# KiCad board ayab-esp32.kicad_pcb (continued)
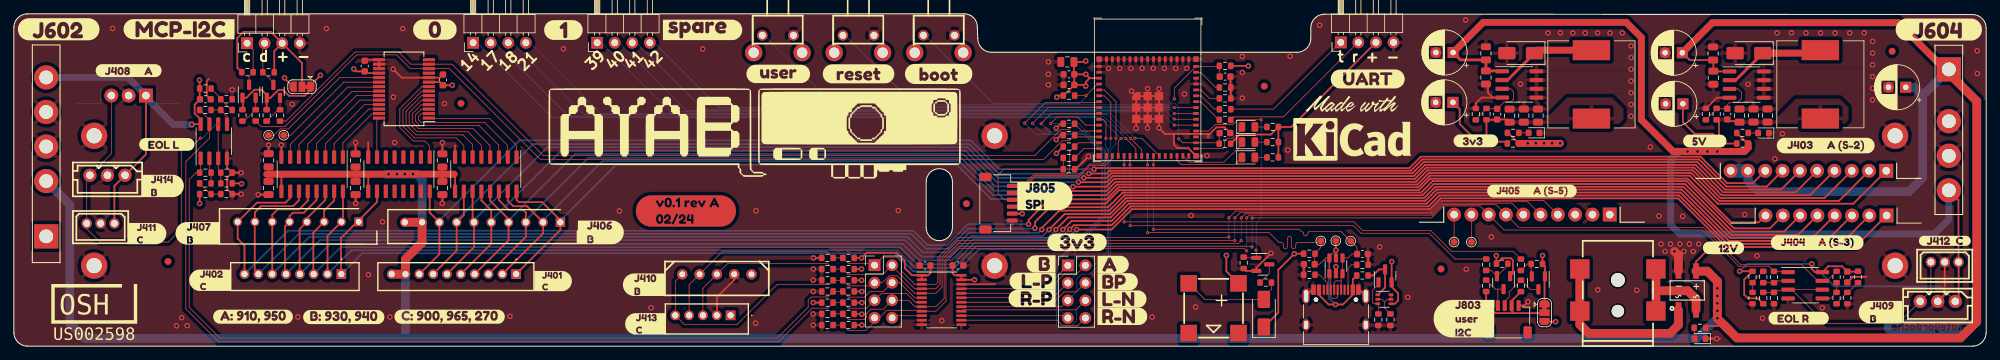
[diagram p0: board, top side]
## Routing (per net, layer and track width the routed paths; a pad name or vN(x,y) marks a point on that pad's centre or on a via; arc(x,y) is an arc through that point) (continued)
/AUX-CONNECTORS/AYAB_CIPO: length 4.1
  Top w0.1: U201.15 154.7,28.59 R813.1
/AUX-CONNECTORS/AYAB_COPI: length 16.3
  Top w0.1: J805.2 145.03,22.19 147.56,24.71 153.88,24.71 155.53,26.36 157.49,26.36 157.95,26.83 U201.16
/AUX-CONNECTORS/AYAB_CS: length 16.8
  Top w0.1: U201.14 153.9,29.44 R814.2 152.62,28.15 152.62,25.4 152.13,24.91 147.47,24.91 145.75,23.19 J805.1
/AUX-CONNECTORS/AYAB_RX: length 19.9
  Top w0.1: J801.1 191.76,43.96 182.11,34.32 175.92,34.32
/AUX-CONNECTORS/AYAB_SCK: length 18.8
  Top w0.1: J805.4 145.09,20.19 145.75,20.84 145.75,22.62 147.64,24.51 153.96,24.51 155.61,26.16 157.79,26.16 158.8,27.18 U201.17
/AUX-CONNECTORS/AYAB_SCL: length 134.4
  Top w0.1: R809.1 35.79,31.76 39.18,31.76 49.58,42.16 55.34,42.16 57.34,40.16 U301.12 62.98,40.16 76.12,27.02 148.85,27.02 151.55,29.72 152.54,29.72 R209.2 153.6,30.29 U201.13
/AUX-CONNECTORS/AYAB_SDA: length 131.1
  Top w0.1: R810.1 39.34,32.58 49.34,42.57 55.63,42.57 57.39,40.81 U301.13 63.33,40.81 76.54,27.6 147.6,27.6 151.35,31.35 152.52,31.35 R210.2 154.4,31.14 U201.12
/AUX-CONNECTORS/AYAB_TX: length 23.1
  Top w0.1: 175.91,32.77 176.32,33.18 183.53,33.18 194.31,43.96 J801.2
/AUX-CONNECTORS/CIPO: length 16.5
  Top w0.1: J805.3 143.16,21.19 142.29,22.06 142.29,24.79 143.11,25.61 R815.1 R813.2
/AUX-CONNECTORS/I2C_SCL: length 63.6
  Top w0.1: R801.1 208.35,12.61 204.62,16.34 194.75,16.34 193.66,17.43 161.4,17.43 v1(161.39,17.44) ; v1(161.35,26.25) U201.20
  Bottom w0.1: v1(161.39,17.44) 161.39,26.22 v1(161.35,26.25)
/AUX-CONNECTORS/I2C_SDA: length 69.1
  Top w0.1: v1(160.5,26.26) U201.19 ; R802.1 216.74,13.73 207.84,13.73 204.82,16.75 194.97,16.75 193.73,17.99 v1(160.51,17.99)
  Bottom w0.1: v1(160.5,26.26) 160.51,26.26 v1(160.51,17.99)
/AUX-CONNECTORS/I2C_VBUS: length 24.9
  Top w0.25: J806.3 37.65,42.7 R817.1 ; J806.3 41.66,40.99 J804.2 ; J806.3 37.16,45.49 33.21,45.49 32.31,44.59 32.31,40.29 R816.1
/AUX-CONNECTORS/MCP_SCL: length 6.6
  Top w0.1: J806.1 34.59,42.98 R816.2 34.01,39.07 Q803.3
/AUX-CONNECTORS/MCP_SDA: length 6.8
  Top w0.1: J806.2 36,43.59 R817.2 36.05,39.65 37.53,38.17 Q804.3
/AUX-CONNECTORS/UART_RX: length 4.2
  Top w0.1: 174.27,34.32 173.54,34.32 171.62,36.24 U201.40
/AUX-CONNECTORS/UART_TX: length 4.4
  Top w0.1: 170.9,35.39 171.55,35.39 174.17,32.77 174.26,32.77
/AUX-CONNECTORS/USER_I2C_VBUS: length 14.6
  Top w0.25: 216.85,4.78 221.2,4.78 J802.2 ; 216.85,4.78 216.53,5.1 J803.3 216.53,6.56 R808.1 ; 216.85,4.78 214.18,4.78 212.84,6.11 R807.1
/BROTHER-CONNECTORS/ENC_BELTPHASE: length 144.5
  Top w0.1: J405.6 216.55,20.7 206.52,20.7 204.98,19.16 178.04,19.16 v1(177.44,18.56) ; v1(177.44,15.27) 177,14.83 136.52,14.83 134.19,12.5 134.19,8.54 133.3,7.66 U701.5 130.22,7.66 127.7,10.18 126.55,10.18 125.55,9.18 J702.3 123.96,8.72 120.66,8.72 R706.2 R705.1 117.81,8.91 110.33,8.91 104.57,3.15 96.93,3.15 J413.5 95.63,4.47 95.63,9.39 J410.5
  Bottom w0.1: v1(177.44,18.56) v1(177.44,15.27)
/BROTHER-CONNECTORS/ENC_V1: length 145.3
  Top w0.1: J405.4 221.15,21.1 206.35,21.1 204.81,19.56 176.64,19.56 v1(175.65,18.57) ; v1(175.65,15.8) 175.55,15.7 136.47,15.7 133.59,12.82 133.59,9.24 133.3,8.96 U701.3 130.24,8.96 128.34,10.86 128.34,12.19 127.64,12.89 125.6,12.89 J702.1 124.19,11.96 120.66,11.96 R702.2 R701.1 117.55,13.66 102.4,13.66 J410.4 97.62,8.88 J413.4
  Bottom w0.1: v1(175.65,15.8) v1(175.65,18.57)
/BROTHER-CONNECTORS/ENC_V2: length 139.3
  Top w0.1: J405.5 218.85,20.9 206.43,20.9 204.89,19.36 177.3,19.36 v1(176.51,18.57) ; J413.3 99.61,4.47 99.61,8.37 J410.3 103.18,11.94 117.65,11.94 R703.1 R704.2 120.64,10.36 125.6,10.36 J702.2 126.97,11.58 130.24,8.31 U701.4 133.26,8.31 133.89,8.93 133.89,12.65 136.51,15.27 176.49,15.27 v1(176.5,15.28)
  Bottom w0.1: v1(176.51,18.57) 176.5,18.56 v1(176.5,15.28)
/BROTHER-CONNECTORS/EOL_L: length 63
  Top w0.1: v1(29.54,32.14) U702.3 29.54,25.48 R731.1 R733.2 ; J408.3 14.1,27.84 J414.3 10.54,24.28 10.54,17.76 J411.3 10.54,16.98 12.45,15.07 22.33,15.07 24.24,16.98 24.24,28.3 25.16,29.22 TP701.1 26.08,29.21 v1(26.97,30.1)
  Bottom w0.1: v1(29.54,32.14) 29.29,32.14 27.26,30.1 v1(26.97,30.1)
/BROTHER-CONNECTORS/EOL_R: length 37.5
  Top w0.1: U703.3 257.02,8.18 261.15,4.05 TP702.1 262.23,3.26 272.36,3.26 J409.3 277.13,8.04 J412.3 ; U703.3 256.36,8.04 254.7,8.04 R732.1 R734.2 ; U703.3 U703.6
/BROTHER-CONNECTORS/EOL_R_N: length 156
  Top w0.1: v1(179,14.35) 178.89,14.46 136.6,14.46 134.49,12.35 134.49,6.9 133.29,5.71 U701.8 130.26,5.71 129.33,6.64 J702.6 125.68,5.35 123.9,5.35 123.26,4.71 123.26,4.19 122.92,3.85 120.66,3.85 R712.2 R711.1 ; v1(179,18.56) 204.94,18.56 206.68,20.3 211.95,20.3 J405.8 215.44,16.81 244.13,16.81 249.37,11.57 253.71,11.57 R717.1 256.38,10.84 U703.1
  Bottom w0.1: v1(179,14.35) v1(179,18.56)
/BROTHER-CONNECTORS/EOL_R_S: length 164.9
  Top w0.1: v1(178.23,18.58) 178.61,18.96 205.06,18.96 206.6,20.5 214.25,20.5 J405.7 217.56,17.19 244.23,17.19 249.6,11.82 258.4,11.82 260.77,9.45 262.11,9.45 R718.2 ; v1(178.21,13.79) 177.89,14.11 136.65,14.11 134.76,12.22 134.76,6.52 133.29,5.06 U701.9 131.12,5.19 126.2,5.19 125.11,4.1 J702.7 124.43,3.54 123.14,2.25 120.64,2.25 R714.2 R713.1
  Bottom w0.1: v1(178.21,13.79) 178.23,13.81 v1(178.23,18.58)
/BROTHER-CONNECTORS/SOL_0: length 215.3
  Top w0.25: J401.8 61.52,13.33 61.52,17.93 J406.8 60.12,19.33 U303.16 ; J403.8 251.4,23.59 247.67,23.59 243.84,27.42 203.4,27.42 201.74,25.77 163.7,25.77 163.7,25.77 156.31,25.77 v2(156.15,25.61)
  Bottom w0.25: v2(156.15,25.61) 142.52,25.61 138.35,29.78 73.09,29.78 61.52,18.21 J406.8
/BROTHER-CONNECTORS/SOL_1: length 215.5
  Top w0.25: J403.7 253.41,23.1 247.57,23.1 243.65,27.02 203.59,27.02 201.97,25.4 158.42,25.4 158,24.99 v2(155.4,24.99) ; 65.05,22.41 65.05,18.97 J406.7 64.02,17.93 64.02,13.83 J401.7
  Bottom w0.25: J406.7 64.02,18.21 75.05,29.24 138.12,29.24 142.37,24.99 v2(155.4,24.99)
/BROTHER-CONNECTORS/SOL_2: length 215.6
  Top w0.25: v2(154.68,24.36) 158,24.36 158.66,25.02 202.19,25.02 203.8,26.63 243.39,26.63 247.36,22.66 255.47,22.66 J403.6 ; J401.6 66.52,14.33 66.52,17.93 J406.6 66.32,18.13 U302.11
  Bottom w0.25: v2(154.68,24.36) 142.28,24.36 137.85,28.79 77.1,28.79 66.52,18.21 J406.6
/BROTHER-CONNECTORS/SOL_3: length 216.4
  Top w0.25: J401.5 69.02,14.83 69.02,17.93 J406.5 69.02,19.67 67.59,21.1 67.59,22.41 ; J403.5 257.58,22.27 247.1,22.27 243.14,26.23 204,26.23 202.39,24.62 158.87,24.62 157.98,23.73 153.91,23.73 v2(153.9,23.74)
  Bottom w0.25: J406.5 69.02,18.21 79.12,28.31 137.55,28.31 142.15,23.71 153.88,23.71 v2(153.9,23.74)
/BROTHER-CONNECTORS/SOL_4: length 217.3
  Top w0.25: J401.4 71.52,15.33 J406.4 71.52,18.39 68.86,21.05 68.86,22.41 ; J403.4 259.65,21.84 246.91,21.84 242.91,25.84 204.17,25.84 202.54,24.21 159.06,24.21 157.93,23.08 153.12,23.08 v2(153.12,23.09)
  Bottom w0.25: v2(153.12,23.09) 153.09,23.11 141.91,23.11 137.2,27.82 81.13,27.82 71.52,18.21 J406.4
/BROTHER-CONNECTORS/SOL_5: length 219.3
  Top w0.25: J403.3 261.74,21.43 246.73,21.43 242.71,25.45 204.35,25.45 202.69,23.79 159.28,23.79 157.94,22.45 152.3,22.45 v2(152.26,22.49) ; U302.14 70.13,21.13 71.58,19.68 73.68,19.68 74.02,19.34 J406.3 74.02,15.83 J401.3
  Bottom w0.25: v2(152.26,22.49) 152.25,22.5 141.71,22.5 136.94,27.27 83.08,27.27 74.02,18.21 J406.3
/BROTHER-CONNECTORS/SOL_6: length 220.1
  Top w0.25: U302.15 71.4,21.06 72.21,20.25 74.2,20.25 J406.2 76.52,16.33 J401.2 ; v2(151.37,21.88) 151.39,21.86 157.96,21.86 159.49,23.39 202.88,23.39 204.55,25.06 242.5,25.06 246.54,21.02 263.83,21.02 J403.2
  Bottom w0.25: J406.2 76.52,18.21 85.1,26.79 136.63,26.79 141.54,21.88 151.37,21.88 v2(151.37,21.88)
/BROTHER-CONNECTORS/SOL_7: length 221.7
  Top w0.25: J401.1 79.02,16.83 J406.1 79.02,18.21 76.38,20.84 73,20.84 72.67,21.17 72.67,22.41 ; v2(150.48,21.26) 150.48,21.25 157.96,21.25 159.7,22.99 203.02,22.99 204.7,24.67 242.27,24.67 246.33,20.61 265.92,20.61 J403.1
  Bottom w0.25: J406.1 79.02,18.21 87.09,26.28 136.27,26.28 141.27,21.28 150.45,21.28 v2(150.48,21.26)
/BROTHER-CONNECTORS/SOL_8: length 248.7
  Top w0.25: J404.8 252.23,17.91 248.29,17.91 241.96,24.24 204.76,24.24 203.1,22.58 159.78,22.58 157.83,20.63 149.05,20.63 146.7,18.28 v2(146.7,17.65) ; U304.10 39.95,21.44 39.29,20.77 35.14,20.77 J407.8 32.36,15.55 33.35,14.56 J402.8
  Bottom w0.25: v2(146.7,17.65) 146.67,17.67 137.97,17.67 134.93,14.63 132.1,14.63 130.02,16.71 39.63,16.71 J402.8
/BROTHER-CONNECTORS/SOL_9: length 249.4
  Top w0.25: J402.7 34.83,10.95 34.83,17.96 J407.7 34.86,19.38 35.74,20.26 40.37,20.26 41.22,21.12 U304.11 ; v2(147.61,17.07) 147.61,17.96 149.76,20.11 158.19,20.11 160.31,22.23 203.44,22.23 205.1,23.89 241.82,23.89 248.66,17.05 253.87,17.05 J404.7
  Bottom w0.25: J402.7 41.17,16.25 129.74,16.25 131.87,14.12 135.1,14.12 138,17.02 147.56,17.02 v2(147.61,17.07)
/BROTHER-CONNECTORS/SOL_A: length 248
  Top w0.25: 42.49,22.41 42.49,21.05 41.24,19.79 38.14,19.79 37.36,19.01 J407.6 37.36,10.44 J402.6 ; J404.6 255.9,16.58 248.48,16.58 241.59,23.47 205.27,23.47 203.63,21.83 160.56,21.83 158.35,19.62 151.12,19.62 148.6,17.1 v2(148.6,16.87)
  Bottom w0.25: J402.6 42.73,15.81 129.16,15.81 131.4,13.57 135.28,13.57 138.15,16.44 148.17,16.44 v2(148.6,16.87)
/BROTHER-CONNECTORS/SOL_B: length 247.5
  Top w0.25: v2(149.65,16.87) 151.91,19.13 158.49,19.13 160.79,21.43 203.87,21.43 205.5,23.06 241.38,23.06 248.33,16.11 257.93,16.11 J404.5 ; U304.13 43.76,21.15 41.93,19.31 40.34,19.31 39.86,18.83 J407.5 39.19,17.32 39.19,10.59 J402.5
  Bottom w0.25: J402.5 44.27,15.35 128.86,15.35 131.24,12.97 135.41,12.97 138.39,15.95 148.73,15.95 v2(149.65,16.87)
/BROTHER-CONNECTORS/SOL_C: length 246.7
  Top w0.25: U304.14 45.03,21.16 42.36,18.48 J407.4 41.32,16.95 41.32,10.46 J402.4 ; J404.4 259.98,15.66 248.13,15.66 241.12,22.67 205.69,22.67 204.07,21.05 160.98,21.05 158.56,18.63 152.39,18.63 v2(150.63,16.87)
  Bottom w0.25: J402.4 45.71,14.79 128.49,14.79 130.86,12.42 135.59,12.42 138.63,15.46 149.22,15.46 v2(150.63,16.87)
/BROTHER-CONNECTORS/SOL_D: length 247
  Top w0.25: J402.3 43.3,10.48 43.3,16.43 J407.3 44.86,19.61 46.3,21.06 U304.15 ; J404.3 262.06,15.24 247.93,15.24 240.94,22.23 205.86,22.23 204.26,20.63 161.2,20.63 158.69,18.12 152.91,18.12 v2(151.67,16.88)
  Bottom w0.25: J402.3 47.24,14.32 128.14,14.32 130.63,11.83 135.76,11.83 138.9,14.97 149.74,14.97 151.65,16.88 v2(151.67,16.88)
/BROTHER-CONNECTORS/SOL_E: length 247.2
  Top w0.25: 47.57,22.41 47.57,18.21 J407.2 45.35,15.98 J402.2 ; v2(152.64,16.89) 153.25,17.51 158.71,17.51 161.44,20.23 204.52,20.23 206.1,21.81 240.73,21.81 247.75,14.79 264.11,14.79 J404.2
  Bottom w0.25: v2(152.64,16.89) 152.6,16.89 150.19,14.48 139.12,14.48 135.95,11.31 130.31,11.31 127.74,13.88 48.8,13.88 J402.2
/BROTHER-CONNECTORS/SOL_F: length 249.2
  Top w0.25: J404.1 266.17,14.35 247.62,14.35 240.58,21.39 206.25,21.39 204.7,19.84 161.64,19.84 158.69,16.88 v2(153.63,16.88) ; J402.1 47.3,10.48 47.3,15.65 49.64,17.99 J407.1 49.86,18.21 52.5,20.86 52.5,22.41
  Bottom w0.25: v2(153.63,16.88) 153.62,16.88 150.73,13.99 139.5,13.99 136.35,10.84 129.97,10.84 127.37,13.44 50.36,13.44 J402.1
/ESP32/BOOT0: length 32.4
  Top w0.1: R206.2 v1(154.99,36.26) 156.66,37.94 U201.4
  Bottom w0.1: v1(154.99,36.26) 154.99,36.06 154.06,35.13 141.56,35.13 131.71,44.98 SW203.1
/ESP32/BOOT1: length 4.3
  Top w0.1: U201.44 171.56,39.64 173.76,37.44 R207.1
/ESP32/BUZZER: length 32.2
  Top w0.1: U201.34 172.74,31.14 173.7,32.09 176.23,32.09 176.91,32.77 v1(180.31,32.77) ; 177.79,12.89 177.88,12.79 Q201.1 179.61,13.88 v1(179.59,13.9)
  Bottom w0.1: v1(180.31,32.77) 180.31,18.61 179.59,17.89 v1(179.59,13.9)
/ESP32/ENC_A: length 55.3
  Top w0.1: J701.1 148.98,8.31 U701.21 ; U201.9 149.98,33.69 148.78,32.49 148.78,32.49 v1(148.51,32.22)
  Bottom w0.1: v1(148.51,32.22) 149.71,31.01 154.87,31.01 157.65,28.24 157.65,18.7 152.36,13.41 J701.1
/ESP32/ENC_B: length 43.6
  Top w0.1: v1(157.88,30.07) 157.88,32.45 157.49,32.84 U201.10 ; J701.2 153.65,10.44 151.86,10.44 149.08,7.66 U701.20
  Bottom w0.1: v1(157.88,30.07) 157.88,28.76 158.05,28.59 158.05,13.62 156.12,11.7 J701.2
/ESP32/ENC_BP: length 55.2
  Top w0.1: 156.9,31.99 156.9,31.99 154.96,31.99 153.78,33.17 150.83,33.17 v1(149.88,32.22) ; J701.3 150.22,7.01 U701.19
  Bottom w0.1: v1(149.88,32.22) 153.95,32.22 157.85,28.32 157.85,18.61 153.36,14.13 153.36,10.16 J701.3
/ESP32/EOL_L_N: length 49.8
  Top w0.1: v1(158.58,30.08) 158.58,35.28 157.62,36.24 U201.6 ; U701.17 151.46,5.71 J701.5
  Bottom w0.1: J701.5 153.66,7.91 153.66,9.78 154.31,10.43 155.51,10.43 158.25,13.17 158.25,28.58 158.58,28.91 v1(158.58,30.08)
/ESP32/EOL_L_P: length 50.3
  Top w0.1: 156.9,37.09 157.62,37.09 159.33,35.38 v1(159.33,30.08) ; J701.4 153.6,7.85 151.82,7.85 150.32,6.36 U701.18
  Bottom w0.1: J701.4 158.5,12.75 158.5,28.42 159.33,29.25 v1(159.33,30.08)
/ESP32/EOL_R_N: length 65.3
  Top w0.1: U701.15 152.03,4.41 J701.7 ; v1(147.27,32.24) 149.56,34.54 U201.8
  Bottom w0.1: v1(147.27,32.24) 148.7,30.81 154.79,30.81 157.45,28.16 157.45,18.78 150.94,12.28 150.94,5.5 J701.7
/ESP32/EOL_R_P: length 78
  Top w0.1: U701.16 137.18,5.26 153.55,5.26 J701.6 ; 156.9,35.39 156.76,35.24 149.1,35.24 v1(146.14,32.28)
  Bottom w0.1: v1(146.14,32.28) 147.81,30.61 154.71,30.61 157.25,28.08 157.25,18.86 150.74,12.36 150.74,2.93 152.84,2.93 153.65,3.73 153.65,5.36 J701.6
/ESP32/ESP14: length 101.5
  Top w0.1: U201.18 159.65,29.64 v1(160.07,30.05)
  Bottom w0.1: v1(160.07,30.05) 157.02,33.1 77.8,33.1 66.99,43.91
/ESP32/ESP17: length 100.7
  Top w0.1: v1(160.75,30.06) 162.2,28.61 U201.21
  Bottom w0.1: v1(160.75,30.06) 157.51,33.3 80.14,33.3 69.53,43.91 J202.2
/ESP32/ESP18: length 98.9
  Top w0.1: U201.22 163.05,28.47 v1(161.45,30.07)
  Bottom w0.1: v1(161.45,30.07) 158.02,33.5 82.48,33.5 72.07,43.91 J202.3
/ESP32/ESP21: length 98.4
  Top w0.1: U201.25 163.05,30.09 v1(162.08,30.09)
  Bottom w0.1: v1(162.08,30.09) 158.47,33.7 84.82,33.7 74.61,43.91 J202.4
/ESP32/ESP39: length 91.5
  Top w0.1: 170.9,31.99 167.76,31.99 v1(167.76,31.99)
  Bottom w0.1: J201.1 84.94,43.91 94.95,33.9 165.85,33.9 v1(167.76,31.99)
/ESP32/ESP40: length 88.6
  Top w0.1: v1(167.75,32.87) 167.78,32.84 U201.36
  Bottom w0.1: v1(167.75,32.87) 166.52,34.1 97.29,34.1 87.48,43.91 J201.2
/ESP32/ESP41: length 85.8
  Top w0.1: U201.37 167.78,33.69 v1(167.76,33.66)
  Bottom w0.1: J201.3 90.02,43.91 99.63,34.3 167.12,34.3 v1(167.76,33.66)
/ESP32/ESP42: length 82.8
  Top w0.1: U201.38 167.76,34.54 v1(167.76,34.53)
  Bottom w0.1: J201.4 92.56,43.91 101.94,34.53 v1(167.76,34.53)
/ESP32/GRN: length 10.3
  Top w0.1: U201.29 169.92,26.62 174.93,26.62 177.53,29.22 D202.1
/ESP32/nRST: length 63.4
  Top w0.1: C202.1 174.27,39.07 R205.2 174.2,40.49 170.9,40.49 167.76,37.34 v1(167.76,35.8)
  Bottom w0.1: SW202.1 120.14,44.98 130.19,34.93 166.98,34.93 167.76,35.71 v1(167.76,35.8)
/ESP32/RED: length 10.7
  Top w0.1: U201.28 168.15,26.88 168.74,26.29 176.5,26.29 D203.1
/ESP32/USB_M: length 55.3
  Top w0.1: v1(163.9,26.24) U201.23 ; v1(163.89,16.43) 163.91,16.45 181.46,16.45 182.91,15 183.22,15 arc(183.43,14.92) 183.52,14.7 183.52,14.42 arc(183.6,14.2) 183.82,14.12 arc(184.03,14.2) 184.12,14.42 184.12,15.59 arc(184.2,15.8) 184.42,15.89 arc(184.63,15.8) 184.72,15.59 184.72,14.42 arc(184.8,14.2) 185.02,14.12 arc(185.23,14.2) 185.32,14.42 185.32,14.7 arc(185.4,14.92) 185.62,15 188.71,15 TP502.1 188.94,14.26 188.1,13.43 R501.2 188.05,13.33 C501.1 188.74,11.85 189.65,12.77 U501.6 U501.1 190.38,10.29 J501.B7 190.38,7.15 190.6,6.93 191.16,6.93 191.38,7.15 J501.A7
  Bottom w0.1: v1(163.89,16.43) 163.89,26.23 v1(163.9,26.24)
/ESP32/USB_P: length 52
  Top w0.1: 191.88,9.45 191.88,10.29 U501.3 U501.4 192.86,12.77 193.43,13.33 C502.1 194.18,14.3 TP503.1 ; 191.88,9.45 191.13,9.45 190.88,9.2 J501.A6 ; 191.88,9.45 J501.B6 ; v1(164.75,16.9) 164.77,16.92 185.81,16.92 186.15,16.58 arc(186.36,16.5) 186.45,16.28 186.45,16.28 arc(186.53,16.06) 186.75,15.98 arc(186.96,16.06) 187.05,16.28 187.05,16.28 arc(187.13,16.5) 187.35,16.58 191.87,16.58 193.27,15.18 ; v1(164.75,26.24) U201.24
  Bottom w0.1: v1(164.75,26.24) 164.75,26.24 v1(164.75,16.9)
/ESP32/YEL: length 8.6
  Top w0.1: U201.31 174.77,28.59 175.03,28.84 175.03,29.68 175.38,30.03 176.14,30.03 177.53,31.43 D201.1
/IO CONDITIONING/EOL_L_K: length 135.8
  Top w0.1: U702.1 27,25.25 R715.1 26.33,25.11 25.35,24.12 25.35,5.63 29.82,1.16 110.35,1.16 114.84,5.65 114.84,6.68 115.27,7.12 117.64,7.12 R707.1 R708.2 120.66,7.1 122.95,7.1 123.79,7.93 125.72,7.93 J702.4 128.07,9.18 130.24,7.01 U701.6
/IO CONDITIONING/EOL_L_L: length 143.2
  Top w0.1: R716.2 28.27,32.78 U702.7 28.27,30.11 24.87,26.7 24.87,5.39 29.6,0.66 110.57,0.66 115.4,5.5 117.64,5.5 R709.1 R710.2 120.64,5.5 123.28,5.5 J702.5 125.43,7.64 129.05,7.64 130.33,6.36 U701.7
/PSU/INP_1: length 25.5
  Top w1.27: D601.1 240.64,3.07 239.42,1.85 227.67,1.85 226.38,3.14 J601.1 J601.1
/PSU/INP_2: length 14
  Top w1.27: J601.2 237.38,8.02 ; 237.38,8.02 J601.3 ; 237.38,8.02 241.99,8.02 243.18,6.83 D601.2
/SOLENOID DRIVERS/MCU_SOL_0: length 15.3
  Top w0.1: U303.1 60.12,28.97 59.4,29.69 57.76,29.69 55.8,31.65 55.8,34.38 58.98,37.56 U301.8
/SOLENOID DRIVERS/MCU_SOL_1: length 18.9
  Top w0.1: 65.05,27.36 65.05,29.04 63.95,30.14 57.94,30.14 56.25,31.83 56.25,34.2 58.97,36.91 U301.7
/SOLENOID DRIVERS/MCU_SOL_2: length 18.8
  Top w0.1: U302.6 66.32,29.19 64.93,30.59 58.13,30.59 56.7,32.02 56.7,34.01 58.96,36.26 U301.6
/SOLENOID DRIVERS/MCU_SOL_3: length 18.7
  Top w0.1: U301.5 58.94,35.61 57.15,33.82 57.15,32.2 58.32,31.04 65.63,31.04 67.59,29.07 67.59,27.36
/SOLENOID DRIVERS/MCU_SOL_4: length 18.5
  Top w0.1: 68.86,27.36 68.84,27.39 68.84,29.03 66.38,31.49 58.5,31.49 57.6,32.39 57.6,33.64 58.93,34.96 U301.4
/SOLENOID DRIVERS/MCU_SOL_5: length 18.4
  Top w0.1: U302.3 70.11,27.39 70.11,29.08 67.25,31.94 58.69,31.94 58.05,32.58 58.05,33.45 58.91,34.31 U301.3
/SOLENOID DRIVERS/MCU_SOL_6: length 18.3
  Top w0.1: U301.2 58.9,33.66 58.5,33.26 58.5,32.76 58.88,32.39 68.05,32.39 71.38,29.06 71.38,27.39 U302.2
/SOLENOID DRIVERS/MCU_SOL_7: length 16
  Top w0.1: 72.67,27.36 72.65,27.39 72.65,29.09 68.8,32.94 60.08,32.94 U301.1
/SOLENOID DRIVERS/MCU_SOL_8: length 18.1
  Top w0.1: U304.7 39.95,29.19 48.25,37.49 52.73,37.49 U301.21
/SOLENOID DRIVERS/MCU_SOL_9: length 16.6
  Top w0.1: U304.6 41.22,29.21 48.85,36.84 52.73,36.84 U301.22
/SOLENOID DRIVERS/MCU_SOL_A: length 15.1
  Top w0.1: 42.49,27.36 42.49,29.25 49.5,36.26 U301.23
/SOLENOID DRIVERS/MCU_SOL_B: length 13.6
  Top w0.1: U301.24 50.03,35.61 43.76,29.35 U304.4
/SOLENOID DRIVERS/MCU_SOL_C: length 12
  Top w0.1: U304.3 45.03,29.29 50.7,34.96 U301.25
/SOLENOID DRIVERS/MCU_SOL_D: length 10.5
  Top w0.1: U304.2 46.3,29.31 51.3,34.31 U301.26
/SOLENOID DRIVERS/MCU_SOL_E: length 9.1
  Top w0.1: U301.27 51.8,33.66 47.57,29.43 47.57,27.36
/SOLENOID DRIVERS/MCU_SOL_F: length 5.9
  Top w0.1: 52.5,27.36 52.48,27.39 52.48,32.81 52.68,33.01 U301.28
/USB/UCPD_CC1: length 3.3
  Top w0.1: J501.A5 189.88,9.2 188.75,10.33 R101.1
/USB/UCPD_CC2: length 4.6
  Top w0.1: J501.B5 192.88,11.28 193.38,11.78 R102.1
/USB/USB_VBUS: length 21
  Top w0.25: J501.A4 188.68,7.42 190.06,6.03 191.06,6.03 v2(191.07,6.02) 191.08,6.03 192.14,6.03 193.58,7.47 J501.A9 193.58,9.68 R504.1 ; U501.5 v2(191.13,13.9) 191.11,13.92 TP501.1
  Bottom w0.25: v2(191.07,6.02) 190.08,7.01 190.08,12.85 v2(191.13,13.9)
Net-(D201-A): length 1.8
  Top w0.1: D201.2 R202.2
Net-(D202-A): length 1.8
  Top w0.1: R203.2 181.15,29.53 D202.2
Net-(D203-A): length 1.8
  Top w0.1: D203.2 R204.2
Net-(D204-A): length 14.7
  Top w0.1: BUZZER201.2 172.15,6.78 D204.2 180.71,7.15 181.81,8.25 R212.1
Net-(D602-A): length 1.5
  Top w0.1: R603.2 242.92,1.15
Net-(D603-A): length 1.4
  Top w0.1: R604.2 250.73,30.85 D603.2
Net-(D604-A): length 1.4
  Top w0.1: R605.2 D604.2
Net-(D605-K): length 14.9
  Top w0.4: D605.1 248.92,38.5 248.03,38.5
  Top w1: L601.1 260.73,42.41 D605.1
Net-(D606-K): length 14.7
  Top w0.4: D606.1 215.94,38.52 U602.2
  Top w1: D606.1 220.26,42.84 L602.1
Net-(J405-Pin_9): length 4
  Top w0.1: J405.9 TP401.1
Net-(J405-Pin_10): length 4
  Top w0.1: J405.10 208.21,15.08 TP402.1
Net-(J701-Pin_8): length 18.7
  Top w0.1: U701.14 150.83,3.76 151.63,2.96 153.79,2.96 J701.8
Net-(J702-Pin_8): length 4.4
  Top w0.1: J702.8 127.27,4.41 U701.10
Net-(Q201-D): length 3.2
  Top w0.1: R212.2 181.49,10.53 Q201.3
Net-(Q501A-B1): length 5
  Top w0.1: 198.15,6.39 197.75,6.79 Q501.2 ; 198.15,6.39 198.15,5.52 R502.1 ; 198.15,6.39 198.55,6.79 Q501.5 Q501.6
Net-(Q501A-E1): length 6.9
  Top w0.25: Q501.1 198.23,8.49 Q502.3 197.36,11.12 196.48,10.23 R504.2
Net-(Q501B-C2): length 5.6
  Top w0.1: Q502.1 197.28,8.95 196.43,8.1 196.43,6.37 196.65,6.14 Q501.3 197.25,6.07 R503.1
Net-(Q801-S): length 4.4
  Top w0.1: R804.2 215.98,11.71 Q801.2 213.57,10.96 R801.2
Net-(Q802-S): length 3.7
  Top w0.1: Q802.2 219.34,10.2 R803.2 218.82,11.9 R802.2
Net-(Q803-S): length 4.3
  Top w0.1: R812.2 33.32,32.59 R809.2 34.97,35.95 Q803.2
Net-(Q804-S): length 4.3
  Top w0.1: Q804.2 38.48,34.24 R810.2 38.2,34.23 R811.2
Net-(R719-Pad2): length 3.7
  Top w0.1: R719.2 28.41,22.01 R727.2 R728.1
Net-(R720-Pad1): length 4.4
  Top w0.1: R723.2 29.91,35.89 R724.1 31.46,34.19 R720.1
Net-(R721-Pad2): length 3.7
  Top w0.1: R721.2 251.35,9.29 R729.2 R730.1
Net-(R722-Pad1): length 4.4
  Top w0.1: R722.1 263.5,6.24 R726.1 265.2,7.79 R725.2
Net-(U201-SPIIO7/GPIO36/FSPICLK/SUBSPICLK): length 77.1
  Top w0.1: C201.1 174.25,30.79 R201.2 174.11,29.44 U201.32 168.97,29.44 v1(168.4,30.01)
  Bottom w0.1: SW201.1 108.46,44.98 118.71,34.73 167.13,34.73 167.47,35.07 167.95,35.07 168.4,34.62 v1(168.4,30.01)
Net-(U301-INTA): length 17
  Top w0.1: U301.20 47.7,38.21 40.02,30.53 TP301.1
Net-(U301-INTB): length 19.4
  Top w0.1: TP302.1 37.61,30.52 38.53,31.44 39.68,31.44 47.1,38.86 U301.19
Net-(U601-FB): length 9.7
  Top w0.1: U601.3 249.25,37.23 249.73,36.75 249.73,35.8 249.24,35.3 248.06,35.3 247.7,34.94 C614.1 246.21,34.37 246.16,34.42 246.16,34.32 R606.1
Net-(U602-FB): length 9.7
  Top w0.1: U602.3 216.37,37.25 216.81,36.81 216.81,35.74 216.4,35.33 215.41,35.33 C615.1 212.94,34.36 R609.1 211.35,32.87 211.35,32.76
Net-(U702A--): length 3.7
  Top w0.1: R719.1 R715.2 28.27,25.35 U702.2
Net-(U702B-+): length 3.8
  Top w0.1: R716.1 R720.2 30.81,33.29 U702.5
Net-(U703A--): length 3.7
  Top w0.1: R721.1 R717.2 254.71,9.45 256.5,9.45
Net-(U703B-+): length 3.8
  Top w0.1: R718.1 R722.2 262.62,6.91 U703.5

## Copper pours and planes (outline as drawn; the poured copper is in the pictures)
/PSU/3V3_SW on Top: 214.31,33.59 213.54,32.81 213.54,32.44 213.81,32.16 232.06,32.16 232.69,32.79 232.69,34.36 231.04,36.01 224.59,36.01 222.01,33.44 215.91,33.44 215.76,33.59
/PSU/5V_SW on Top: 247.31,33.61 246.53,32.84 246.53,32.46 246.81,32.19 264.68,32.19 265.22,32.73 265.22,34.58 263.98,35.81 257.36,35.81 255.01,33.46 248.91,33.46 248.76,33.61
GND on Top: 219.21,39.91 234.61,39.91 234.61,37.16 233.96,36.51 224.61,36.51 221.66,33.56 217.41,33.56 217.09,33.89 217.09,37.79
GND on Top: 252.46,40.19 267.61,40.19 267.61,37.06 267.03,36.49 257.56,36.49 254.66,33.59 250.41,33.59 250.08,33.91 250.08,37.81
GND on Top, Bottom, In1.Cu, In2.Cu: -25.67,78.31 -25.67,-37.86 304.95,-37.86 321,-21.81 321,59.76 302.45,78.31

## Text on the board
F.Mask: github.com/AllYarnsAreBeautiful
F.Silkscreen: c d + - | t r + - | 14 | 17 | 18 | 21 | 39 | 40 | 41 | 42
